# Altium PCB SkayboardAgain.PcbDoc (part 1 of 4)
Units mil, origin at the board's own origin, x right, y up, seen from the top; angles counter-clockwise.
Board outline 13972.57 x 4222.54 mil, 2 copper layers (Top Layer, Bottom Layer); 416 components, 229 nets, 1126 pads, 222 vias.
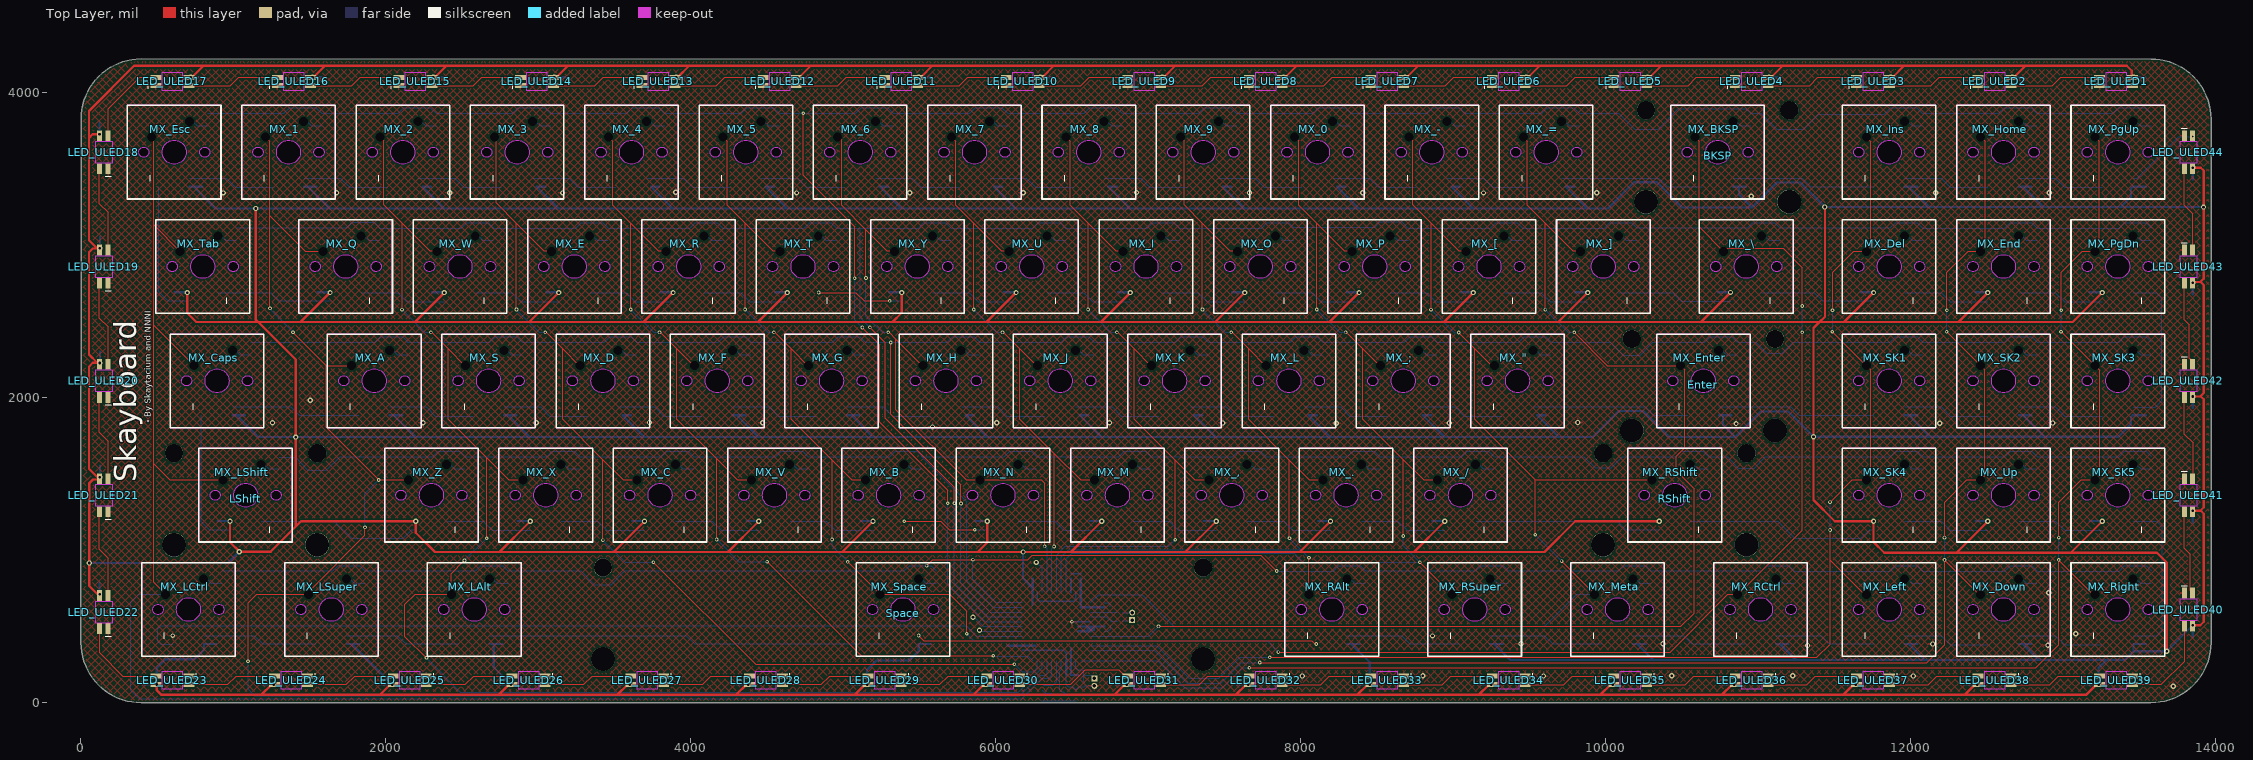
[diagram p0: Top Layer view]
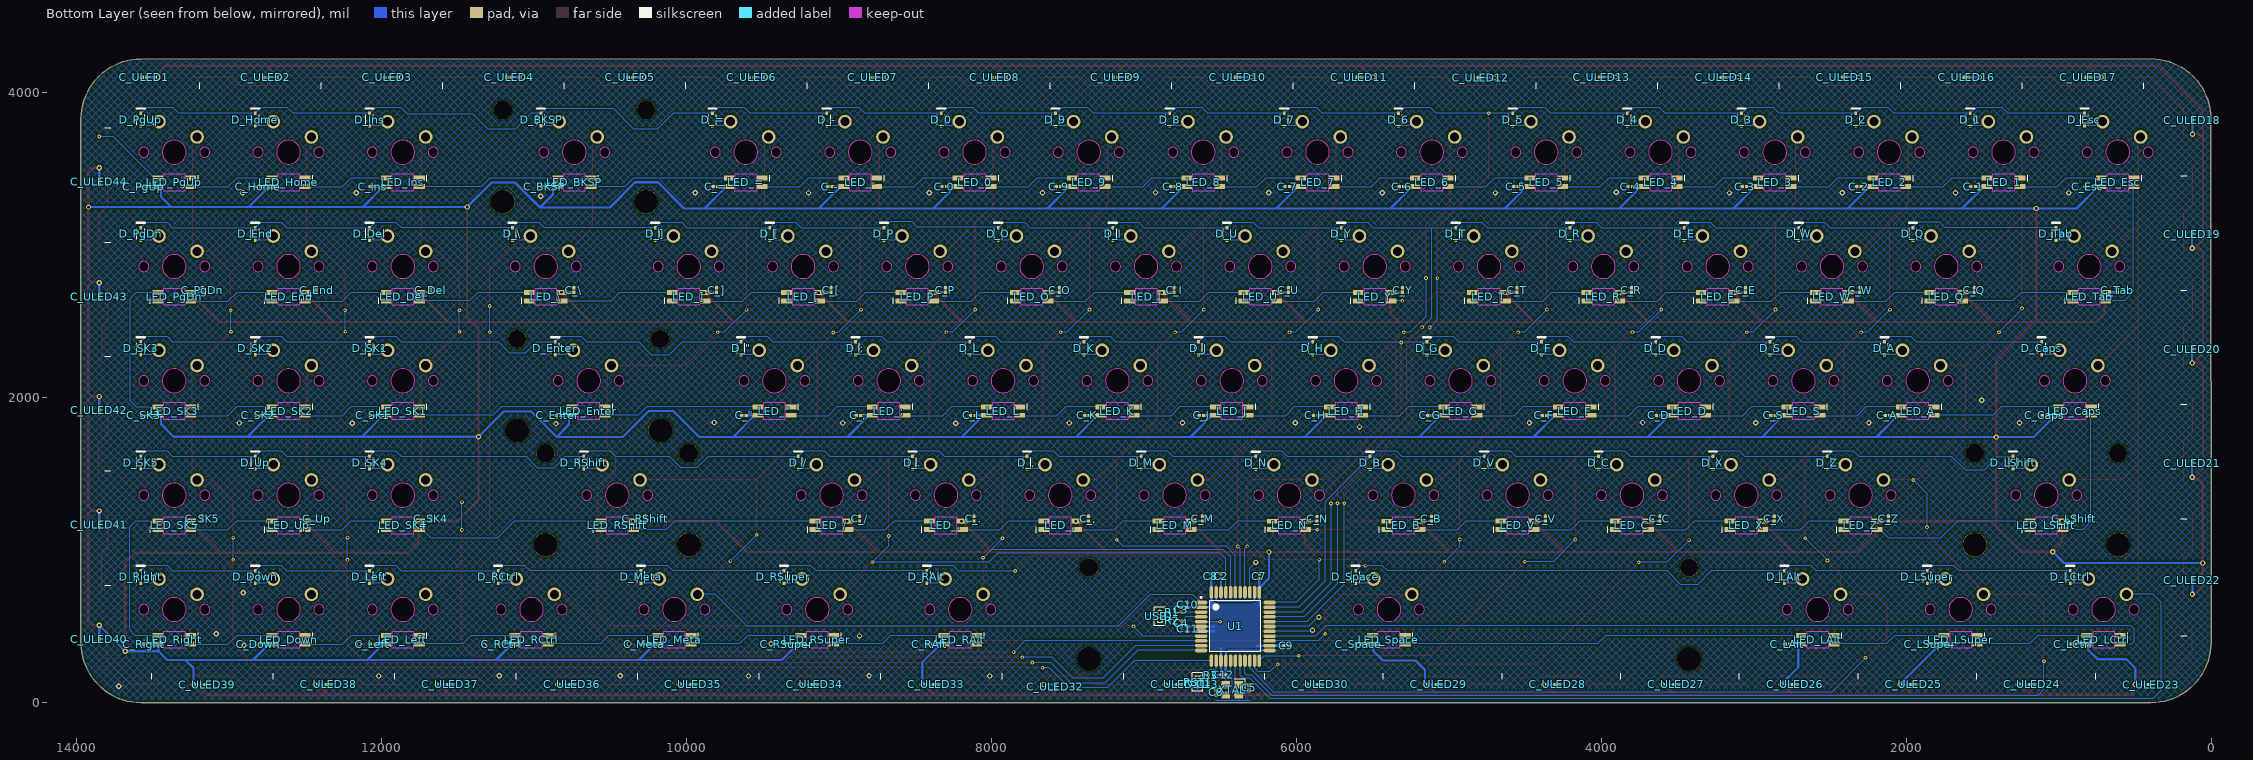
[diagram p1: Bottom Layer view, seen from below]

## Layer stack, top to bottom
Top Solder: solder mask 0.4, Solder Resist, Dk 3.5
Top Layer: signal copper 1.4
Dielectric 1: dielectric 12.6, FR-4, Dk 4.8
Bottom Layer: signal copper 1.4
Bottom Solder: solder mask 0.4, Solder Resist, Dk 3.5

## Board outline
58.09,188.06 42.95,215.02 30.04,243.12 19.35,272.1 10.94,301.83 4.92,332.15 1.29,362.86 0.04,393.78 0.09,3828.78 1.29,3859.71 4.92,3890.42 10.94,3920.74 19.35,3950.47 30.04,3979.52 42.95,4007.55 58.09,4034.52 75.23,4060.23 94.38,4084.52 115.38,4107.2 138.06,4128.22 162.37,4147.36 188.08,4164.52 215.04,4179.64 243.09,4192.55 272.12,4203.26 301.85,4211.65 332.18,4217.67 362.89,4221.33 393.81,4222.55 13578.87,4222.51 13609.73,4221.33 13640.44,4217.67 13670.75,4211.65 13700.52,4203.26 13729.5,4192.55 13757.57,4179.64 13784.53,4164.52 13810.24,4147.36 13834.5,4128.22 13857.25,4107.2 13878.24,4084.52 13897.33,4060.23 13914.53,4034.52 13929.69,4007.55 13942.61,3979.52 13953.31,3950.47 13961.62,3920.74 13967.76,3890.42 13971.35,3859.71 13972.61,3828.78 13972.61,393.78 13971.35,362.86 13967.76,332.15 13961.62,301.83 13953.31,272.1 13942.61,243.12 13929.69,215.02 13914.53,188.06 13897.33,162.34 13878.24,138.09 13857.25,115.36 13834.5,94.36 13810.24,75.21 13784.53,58.06 13757.57,42.93 13729.5,30.02 13700.52,19.33 13670.75,10.92 13640.44,4.9 13609.73,1.26 13578.87,0.01 393.81,0.07 362.89,1.26 332.18,4.9 301.85,10.92 272.12,19.33 243.09,30.02 215.04,42.93 188.08,58.06 162.37,75.21 138.06,94.36 115.38,115.36 94.38,138.09 75.23,162.34

## Design rules (kind name [scope] priority, off if disabled: settings)
BoardOutlineClearance [All] p1: gap=10 ignorepadtopadclearanceinfootprint=FALSE except(-1: Arc-OutlineEdge; 0: Arc-SplitContinuation Track-SplitContinuation SMDPad-SplitContinuation THPad-SplitContinuation Via-SplitContinuation Fill-SplitContinuation Poly-SplitContinuation Region-SplitContinuation Text-SplitContinuation)
Clearance [All] p1: gap=10 ignorepadtopadclearanceinfootprint=FALSE except(0: Arc-Hole Track-Hole SMDPad-Hole THPad-Hole Via-Hole Fill-Hole Poly-Hole Region-Hole Text-Hole; 5: SMDPad-SMDPad)
HoleSize [All] p1: absolutevalues=TRUE maxlimit=600 minlimit=5 maxpercent=80.000 minpercent=20.000
PolygonConnect [All] p1: connectstyle=Relief reliefconductorwidth=10 reliefentries=4 polygonreliefangle="90 Angle" airgapwidth=10
RoomDefinition ULED1 [InComponentClass('ULED1')] p1: confinementstyle=ConfineIn formatcopy=TRUE lockcomponents=FALSE outline 13172.15,4007.91 13172.15,4142.09 13511.64,4142.09 13511.64,4129.45 13599.15,4129.45 13599.15,4075.99 13511.64,4075.99 13511.64,4007.91
RoomDefinition ULED2 [InComponentClass('ULED2')] p2: confinementstyle=ConfineIn formatcopy=TRUE lockcomponents=FALSE outline 12375.27,4007.91 12375.27,4142.09 12714.76,4142.09 12714.76,4129.01 12802.44,4129.01 12802.44,4075.55 12714.76,4075.55 12714.76,4007.91
RoomDefinition ULED3 [InComponentClass('ULED3')] p3: confinementstyle=ConfineIn formatcopy=TRUE lockcomponents=FALSE outline 11578.4,4007.91 11578.4,4142.09 11917.89,4142.09 11917.89,4129.01 12005.56,4129.01 12005.56,4075.55 11917.89,4075.55 11917.89,4007.91
RoomDefinition ULED4 [InComponentClass('ULED4')] p4: confinementstyle=ConfineIn formatcopy=TRUE lockcomponents=FALSE outline 10781.52,4007.91 10781.52,4142.09 11121.01,4142.09 11121.01,4129.36 11207.15,4129.36 11207.15,4075.89 11121.01,4075.89 11121.01,4007.91
RoomDefinition ULED5 [InComponentClass('ULED5')] p5: confinementstyle=ConfineIn formatcopy=TRUE lockcomponents=FALSE outline 9984.65,4007.91 9984.65,4142.09 10324.14,4142.09 10324.14,4128.4 10410.93,4128.4 10410.93,4074.93 10324.14,4074.93 10324.14,4007.91
RoomDefinition ULED6 [InComponentClass('ULED6')] p6: confinementstyle=ConfineIn formatcopy=TRUE lockcomponents=FALSE outline 9187.77,4007.91 9187.77,4142.09 9527.26,4142.09 9527.26,4128.11 9615.47,4128.11 9615.47,4074.65 9527.26,4074.65 9527.26,4007.91
RoomDefinition ULED7 [InComponentClass('ULED7')] p7: confinementstyle=ConfineIn formatcopy=TRUE lockcomponents=FALSE outline 8390.9,4007.91 8390.9,4142.09 8730.39,4142.09 8730.39,4128.2 8819.94,4128.2 8819.94,4074.73 8730.39,4074.73 8730.39,4007.91
RoomDefinition ULED8 [InComponentClass('ULED8')] p8: confinementstyle=ConfineIn formatcopy=TRUE lockcomponents=FALSE outline 7594.02,4007.91 7594.02,4142.09 7933.51,4142.09 7933.51,4128.45 8022.15,4128.45 8022.15,4074.99 7933.51,4074.99 7933.51,4007.91
RoomDefinition ULED9 [InComponentClass('ULED9')] p9: confinementstyle=ConfineIn formatcopy=TRUE lockcomponents=FALSE outline 6797.15,4007.91 6797.15,4142.09 7136.64,4142.09 7136.64,4129.78 7226.63,4129.78 7226.63,4076.32 7136.64,4076.32 7136.64,4007.91
RoomDefinition ULED10 [InComponentClass('ULED10')] p10: confinementstyle=ConfineIn formatcopy=TRUE lockcomponents=FALSE outline 6000.27,4007.91 6000.27,4142.09 6339.76,4142.09 6339.76,4129.45 6427.15,4129.45 6427.15,4075.99 6339.76,4075.99 6339.76,4007.91
RoomDefinition ULED11 [InComponentClass('ULED11')] p11: confinementstyle=ConfineIn formatcopy=TRUE lockcomponents=FALSE outline 5203.4,4007.91 5203.4,4142.09 5542.89,4142.09 5542.89,4129.45 5630.15,4129.45 5630.15,4075.99 5542.89,4075.99 5542.89,4007.91
RoomDefinition ULED12 [InComponentClass('ULED12')] p12: confinementstyle=ConfineIn formatcopy=TRUE lockcomponents=FALSE outline 4406.52,4007.91 4406.52,4142.09 4746.01,4142.09 4746.01,4126.45 4834.15,4126.45 4834.15,4072.99 4746.01,4072.99 4746.01,4007.91
RoomDefinition ULED13 [InComponentClass('ULED13')] p13: confinementstyle=ConfineIn formatcopy=TRUE lockcomponents=FALSE outline 3609.65,4007.91 3609.65,4142.09 3949.14,4142.09 3949.14,4130.45 4039.15,4130.45 4039.15,4076.99 3949.14,4076.99 3949.14,4007.91
RoomDefinition ULED14 [InComponentClass('ULED14')] p14: confinementstyle=ConfineIn formatcopy=TRUE lockcomponents=FALSE outline 2812.77,4007.91 2812.77,4142.09 3152.26,4142.09 3152.26,4128.45 3239.15,4128.45 3239.15,4074.99 3152.26,4074.99 3152.26,4007.91
RoomDefinition ULED15 [InComponentClass('ULED15')] p15: confinementstyle=ConfineIn formatcopy=TRUE lockcomponents=FALSE outline 2015.9,4007.91 2015.9,4142.09 2355.39,4142.09 2355.39,4130.45 2445.15,4130.45 2445.15,4076.99 2355.39,4076.99 2355.39,4007.91
RoomDefinition ULED16 [InComponentClass('ULED16')] p16: confinementstyle=ConfineIn formatcopy=TRUE lockcomponents=FALSE outline 1219.02,4007.91 1219.02,4142.09 1558.51,4142.09 1558.51,4129.45 1646.15,4129.45 1646.15,4075.99 1558.51,4075.99 1558.51,4007.91
RoomDefinition ULED17 [InComponentClass('ULED17')] p17: confinementstyle=ConfineIn formatcopy=TRUE lockcomponents=FALSE outline 422.15,4007.91 422.15,4142.09 761.64,4142.09 761.64,4129.45 847.15,4129.45 847.15,4075.99 761.64,4075.99 761.64,4007.91
RoomDefinition ULED18 [InComponentClass('ULED18')] p18: confinementstyle=ConfineIn formatcopy=TRUE lockcomponents=FALSE outline 82.91,3433.46 82.91,3772.95 94.89,3772.95 94.89,3863.94 148.35,3863.94 148.35,3772.95 217.09,3772.95 217.09,3433.46
RoomDefinition ULED19 [InComponentClass('ULED19')] p19: confinementstyle=ConfineIn formatcopy=TRUE lockcomponents=FALSE outline 82.91,2683.41 82.91,3022.9 97.55,3022.9 97.55,3115.15 151.01,3115.15 151.01,3022.9 217.09,3022.9 217.09,2683.41
RoomDefinition ULED20 [InComponentClass('ULED20')] p20: confinementstyle=ConfineIn formatcopy=TRUE lockcomponents=FALSE outline 82.91,1933.41 82.91,2272.9 97.55,2272.9 97.55,2362.15 151.01,2362.15 151.01,2272.9 217.09,2272.9 217.09,1933.41
RoomDefinition ULED21 [InComponentClass('ULED21')] p21: confinementstyle=ConfineIn formatcopy=TRUE lockcomponents=FALSE outline 82.91,1183.41 82.91,1522.9 97.55,1522.9 97.55,1613.15 151.01,1613.15 151.01,1522.9 217.09,1522.9 217.09,1183.41
RoomDefinition ULED22 [InComponentClass('ULED22')] p22: confinementstyle=ConfineIn formatcopy=TRUE lockcomponents=FALSE outline 82.91,416.15 82.91,755.64 95.51,755.64 95.51,846.3 148.97,846.3 148.97,755.64 217.09,755.64 217.09,416.15
RoomDefinition ULED23 [InComponentClass('ULED23')] p23: confinementstyle=ConfineIn formatcopy=TRUE lockcomponents=FALSE outline 349.85,92.55 349.85,146.01 438.36,146.01 438.36,214.09 777.85,214.09 777.85,79.91 438.36,79.91 438.36,92.55
RoomDefinition ULED24 [InComponentClass('ULED24')] p24: confinementstyle=ConfineIn formatcopy=TRUE lockcomponents=FALSE outline 1129.26,92.99 1129.26,146.45 1216.93,146.45 1216.93,214.09 1556.42,214.09 1556.42,79.91 1216.93,79.91 1216.93,92.99
RoomDefinition ULED25 [InComponentClass('ULED25')] p25: confinementstyle=ConfineIn formatcopy=TRUE lockcomponents=FALSE outline 1907.83,92.99 1907.83,146.45 1995.5,146.45 1995.5,214.09 2334.99,214.09 2334.99,79.91 1995.5,79.91 1995.5,92.99
RoomDefinition ULED26 [InComponentClass('ULED26')] p26: confinementstyle=ConfineIn formatcopy=TRUE lockcomponents=FALSE outline 2686.4,92.99 2686.4,146.45 2774.08,146.45 2774.08,214.09 3113.57,214.09 3113.57,79.91 2774.08,79.91 2774.08,92.99
RoomDefinition ULED27 [InComponentClass('ULED27')] p27: confinementstyle=ConfineIn formatcopy=TRUE lockcomponents=FALSE outline 3464.97,92.99 3464.97,146.45 3552.65,146.45 3552.65,214.09 3892.14,214.09 3892.14,79.91 3552.65,79.91 3552.65,92.99
RoomDefinition ULED28 [InComponentClass('ULED28')] p28: confinementstyle=ConfineIn formatcopy=TRUE lockcomponents=FALSE outline 4243.55,92.99 4243.55,146.45 4331.22,146.45 4331.22,214.09 4670.71,214.09 4670.71,79.91 4331.22,79.91 4331.22,92.99
RoomDefinition ULED29 [InComponentClass('ULED29')] p29: confinementstyle=ConfineIn formatcopy=TRUE lockcomponents=FALSE outline 5022.12,92.99 5022.12,146.45 5109.79,146.45 5109.79,214.09 5449.28,214.09 5449.28,79.91 5109.79,79.91 5109.79,92.99
RoomDefinition ULED30 [InComponentClass('ULED30')] p30: confinementstyle=ConfineIn formatcopy=TRUE lockcomponents=FALSE outline 5800.69,92.99 5800.69,146.45 5888.36,146.45 5888.36,214.09 6227.85,214.09 6227.85,79.91 5888.36,79.91 5888.36,92.99
RoomDefinition ULED31 [InComponentClass('ULED31')] p31: confinementstyle=ConfineIn formatcopy=TRUE lockcomponents=FALSE outline 6725.69,92.99 6725.69,146.45 6813.36,146.45 6813.36,214.09 7152.85,214.09 7152.85,79.91 6813.36,79.91 6813.36,92.99
RoomDefinition ULED32 [InComponentClass('ULED32')] p32: confinementstyle=ConfineIn formatcopy=TRUE lockcomponents=FALSE outline 7553.55,62 7553.55,146.96 7610.24,146.96 7610.24,214.09 7949.73,214.09 7949.73,79.91 7607.02,79.91 7607.02,62
RoomDefinition ULED33 [InComponentClass('ULED33')] p33: confinementstyle=ConfineIn formatcopy=TRUE lockcomponents=FALSE outline 8319.44,92.99 8319.44,146.45 8407.11,146.45 8407.11,214.09 8746.6,214.09 8746.6,79.91 8407.11,79.91 8407.11,92.99
RoomDefinition ULED34 [InComponentClass('ULED34')] p34: confinementstyle=ConfineIn formatcopy=TRUE lockcomponents=FALSE outline 9116.31,92.99 9116.31,146.45 9203.99,146.45 9203.99,214.09 9543.48,214.09 9543.48,79.91 9203.99,79.91 9203.99,92.99
RoomDefinition ULED35 [InComponentClass('ULED35')] p35: confinementstyle=ConfineIn formatcopy=TRUE lockcomponents=FALSE outline 9913.19,92.99 9913.19,146.45 10000.86,146.45 10000.86,214.09 10340.35,214.09 10340.35,79.91 10000.86,79.91 10000.86,92.99
RoomDefinition ULED36 [InComponentClass('ULED36')] p36: confinementstyle=ConfineIn formatcopy=TRUE lockcomponents=FALSE outline 10706.39,92.99 10706.39,146.45 10797.74,146.45 10797.74,214.09 11137.23,214.09 11137.23,79.91 10797.74,79.91 10797.74,92.99
RoomDefinition ULED37 [InComponentClass('ULED37')] p37: confinementstyle=ConfineIn formatcopy=TRUE lockcomponents=FALSE outline 11506.94,92.99 11506.94,146.45 11594.61,146.45 11594.61,214.09 11934.1,214.09 11934.1,79.91 11594.61,79.91 11594.61,92.99
RoomDefinition ULED38 [InComponentClass('ULED38')] p38: confinementstyle=ConfineIn formatcopy=TRUE lockcomponents=FALSE outline 12303.81,92.99 12303.81,146.45 12391.49,146.45 12391.49,214.09 12730.98,214.09 12730.98,79.91 12391.49,79.91 12391.49,92.99
RoomDefinition ULED39 [InComponentClass('ULED39')] p39: confinementstyle=ConfineIn formatcopy=TRUE lockcomponents=FALSE outline 13101.13,92.55 13101.13,146.01 13188.36,146.01 13188.36,214.09 13527.85,214.09 13527.85,79.91 13188.36,79.91 13188.36,92.55
RoomDefinition ULED40 [InComponentClass('ULED40')] p40: confinementstyle=ConfineIn formatcopy=TRUE lockcomponents=FALSE outline 13757.91,449.62 13757.91,789.12 13892.09,789.12 13892.09,449.62 13879.01,449.62 13879.01,374.75 13825.55,374.75 13825.55,449.62
RoomDefinition ULED41 [InComponentClass('ULED41')] p41: confinementstyle=ConfineIn formatcopy=TRUE lockcomponents=FALSE outline 13757.91,1199.62 13757.91,1539.12 13892.09,1539.12 13892.09,1199.62 13879.01,1199.62 13879.01,1124.75 13825.55,1124.75 13825.55,1199.62
RoomDefinition ULED42 [InComponentClass('ULED42')] p42: confinementstyle=ConfineIn formatcopy=TRUE lockcomponents=FALSE outline 13757.91,1949.62 13757.91,2289.12 13892.09,2289.12 13892.09,1949.62 13879.01,1949.62 13879.01,1874.75 13825.55,1874.75 13825.55,1949.62
RoomDefinition ULED43 [InComponentClass('ULED43')] p43: confinementstyle=ConfineIn formatcopy=FALSE lockcomponents=FALSE outline 13757.91,2699.62 13757.91,3039.12 13892.09,3039.12 13892.09,2699.62 13878.73,2699.62 13878.73,2620.47 13825.27,2620.47 13825.27,2699.62
RoomDefinition N [InComponentClass('N')] p44: confinementstyle=ConfineIn formatcopy=TRUE lockcomponents=FALSE outline 5725.88,1038.82 5725.88,1682.99 6370.05,1682.99 6370.05,1038.82
RoomDefinition B [InComponentClass('B')] p45: confinementstyle=ConfineIn formatcopy=TRUE lockcomponents=FALSE outline 4975.7,1038.82 4975.7,1682.99 5619.88,1682.99 5619.88,1038.82
RoomDefinition Y [InComponentClass('Y')] p46: confinementstyle=ConfineIn formatcopy=TRUE lockcomponents=FALSE outline 5164.21,2539.17 5164.21,3183.35 5808.39,3183.35 5808.39,2539.17
RoomDefinition H [InComponentClass('H')] p47: confinementstyle=ConfineIn formatcopy=FALSE lockcomponents=FALSE outline 5351.66,1789.17 5351.66,2433.35 5995.83,2433.35 5995.83,1789.17
RoomDefinition ULED44 [InComponentClass('ULED44')] p48: confinementstyle=ConfineIn formatcopy=FALSE lockcomponents=FALSE outline 13757.91,3449.68 13757.91,3789.17 13892.09,3789.17 13892.09,3449.68 13878.73,3449.68 13878.73,3374.52 13825.27,3374.52 13825.27,3449.68
RoomDefinition ] [InComponentClass(']')] p49: confinementstyle=ConfineIn formatcopy=TRUE lockcomponents=FALSE outline 9664.21,2539.17 9664.21,3183.35 10308.39,3183.35 10308.39,2539.17
RoomDefinition \ [InComponentClass('\')] p50: confinementstyle=ConfineIn formatcopy=TRUE lockcomponents=FALSE outline 10601.66,2539.17 10601.66,3183.35 11245.83,3183.35 11245.83,2539.17
RoomDefinition [ [InComponentClass('[')] p51: confinementstyle=ConfineIn formatcopy=TRUE lockcomponents=FALSE outline 8914.21,2539.17 8914.21,3183.35 9558.39,3183.35 9558.39,2539.17
RoomDefinition Z [InComponentClass('Z')] p52: confinementstyle=ConfineIn formatcopy=TRUE lockcomponents=FALSE outline 1976.65,1039.17 1976.65,1683.35 2620.82,1683.35 2620.82,1039.17
RoomDefinition X [InComponentClass('X')] p53: confinementstyle=ConfineIn formatcopy=TRUE lockcomponents=FALSE outline 2726.65,1039.17 2726.65,1683.35 3370.82,1683.35 3370.82,1039.17
RoomDefinition W [InComponentClass('W')] p54: confinementstyle=ConfineIn formatcopy=TRUE lockcomponents=FALSE outline 2164.2,2539.17 2164.2,3183.35 2808.37,3183.35 2808.37,2539.17
RoomDefinition V [InComponentClass('V')] p55: confinementstyle=ConfineIn formatcopy=TRUE lockcomponents=FALSE outline 4226.66,1039.17 4226.66,1683.35 4870.83,1683.35 4870.83,1039.17
RoomDefinition Up [InComponentClass('Up')] p56: confinementstyle=ConfineIn formatcopy=TRUE lockcomponents=FALSE outline 12289.21,1039.17 12289.21,1683.35 12933.39,1683.35 12933.39,1039.17
RoomDefinition U [InComponentClass('U')] p57: confinementstyle=ConfineIn formatcopy=TRUE lockcomponents=FALSE outline 5914.21,2539.17 5914.21,3183.35 6558.39,3183.35 6558.39,2539.17
RoomDefinition Tab [InComponentClass('Tab')] p58: confinementstyle=ConfineIn formatcopy=TRUE lockcomponents=FALSE outline 476.64,2539.17 476.64,3183.35 1120.82,3183.35 1120.82,2539.17
RoomDefinition T [InComponentClass('T')] p59: confinementstyle=ConfineIn formatcopy=TRUE lockcomponents=FALSE outline 4414.21,2539.17 4414.21,3183.35 5058.39,3183.35 5058.39,2539.17
RoomDefinition Space [InComponentClass('Space')] p60: confinementstyle=ConfineIn formatcopy=FALSE lockcomponents=FALSE outline 5070.4,289.17 5070.4,933.35 5714.57,933.35 5714.57,289.17
RoomDefinition SK5 [InComponentClass('SK5')] p61: confinementstyle=ConfineIn formatcopy=TRUE lockcomponents=FALSE outline 13039.21,1039.17 13039.21,1683.35 13683.39,1683.35 13683.39,1039.17
RoomDefinition SK4 [InComponentClass('SK4')] p62: confinementstyle=ConfineIn formatcopy=TRUE lockcomponents=FALSE outline 11539.21,1039.17 11539.21,1683.35 12183.39,1683.35 12183.39,1039.17
RoomDefinition SK3 [InComponentClass('SK3')] p63: confinementstyle=ConfineIn formatcopy=FALSE lockcomponents=FALSE outline 13039.21,1789.17 13039.21,2433.35 13683.39,2433.35 13683.39,1789.17
RoomDefinition SK2 [InComponentClass('SK2')] p64: confinementstyle=ConfineIn formatcopy=FALSE lockcomponents=FALSE outline 12289.21,1789.17 12289.21,2433.35 12933.39,2433.35 12933.39,1789.17
RoomDefinition SK1 [InComponentClass('SK1')] p65: confinementstyle=ConfineIn formatcopy=FALSE lockcomponents=FALSE outline 11539.21,1789.17 11539.21,2433.35 12183.39,2433.35 12183.39,1789.17
RoomDefinition S [InComponentClass('S')] p66: confinementstyle=ConfineIn formatcopy=FALSE lockcomponents=FALSE outline 2351.65,1789.17 2351.65,2433.35 2995.82,2433.35 2995.82,1789.17
RoomDefinition RSuper [InComponentClass('RSuper')] p67: confinementstyle=ConfineIn formatcopy=FALSE lockcomponents=FALSE outline 8820.4,289.17 8820.4,933.35 9464.57,933.35 9464.57,289.17
RoomDefinition RShift [InComponentClass('RShift')] p68: confinementstyle=ConfineIn formatcopy=TRUE lockcomponents=FALSE outline 10132.92,1039.17 10132.92,1683.35 10777.09,1683.35 10777.09,1039.17
RoomDefinition Right [InComponentClass('Right')] p69: confinementstyle=ConfineIn formatcopy=FALSE lockcomponents=FALSE outline 13039.21,289.17 13039.21,933.35 13683.39,933.35 13683.39,289.17
RoomDefinition RCtrl [InComponentClass('RCtrl')] p70: confinementstyle=ConfineIn formatcopy=FALSE lockcomponents=FALSE outline 10695.4,289.17 10695.4,933.35 11339.57,933.35 11339.57,289.17
RoomDefinition RAlt [InComponentClass('RAlt')] p71: confinementstyle=ConfineIn formatcopy=FALSE lockcomponents=FALSE outline 7882.92,289.17 7882.92,933.35 8527.09,933.35 8527.09,289.17
RoomDefinition R [InComponentClass('R')] p72: confinementstyle=ConfineIn formatcopy=TRUE lockcomponents=FALSE outline 3664.21,2539.17 3664.21,3183.35 4308.39,3183.35 4308.39,2539.17
RoomDefinition Q [InComponentClass('Q')] p73: confinementstyle=ConfineIn formatcopy=TRUE lockcomponents=FALSE outline 1414.2,2539.17 1414.2,3183.35 2058.37,3183.35 2058.37,2539.17
RoomDefinition PgUp [InComponentClass('PgUp')] p74: confinementstyle=ConfineIn formatcopy=FALSE lockcomponents=FALSE outline 13039.21,3289.23 13039.21,3933.4 13683.39,3933.4 13683.39,3289.23
RoomDefinition PgDn [InComponentClass('PgDn')] p75: confinementstyle=ConfineIn formatcopy=TRUE lockcomponents=FALSE outline 13039.21,2539.17 13039.21,3183.35 13683.39,3183.35 13683.39,2539.17
RoomDefinition P [InComponentClass('P')] p76: confinementstyle=ConfineIn formatcopy=TRUE lockcomponents=FALSE outline 8164.21,2539.17 8164.21,3183.35 8808.39,3183.35 8808.39,2539.17
RoomDefinition O [InComponentClass('O')] p77: confinementstyle=ConfineIn formatcopy=TRUE lockcomponents=FALSE outline 7414.21,2539.17 7414.21,3183.35 8058.39,3183.35 8058.39,2539.17
RoomDefinition Meta [InComponentClass('Meta')] p78: confinementstyle=ConfineIn formatcopy=FALSE lockcomponents=FALSE outline 9757.92,289.17 9757.92,933.35 10402.09,933.35 10402.09,289.17
RoomDefinition M [InComponentClass('M')] p79: confinementstyle=ConfineIn formatcopy=TRUE lockcomponents=FALSE outline 6476.66,1039.17 6476.66,1683.35 7120.83,1683.35 7120.83,1039.17
RoomDefinition LSuper [InComponentClass('LSuper')] p80: confinementstyle=ConfineIn formatcopy=FALSE lockcomponents=FALSE outline 1320.4,289.17 1320.4,933.35 1964.57,933.35 1964.57,289.17
RoomDefinition LShift [InComponentClass('LShift')] p81: confinementstyle=ConfineIn formatcopy=TRUE lockcomponents=FALSE outline 757.89,1039.17 757.89,1683.35 1402.06,1683.35 1402.06,1039.17
RoomDefinition Left [InComponentClass('Left')] p82: confinementstyle=ConfineIn formatcopy=FALSE lockcomponents=FALSE outline 11539.21,289.17 11539.21,933.35 12183.39,933.35 12183.39,289.17